# KiCad board keyboard.kicad_pcb
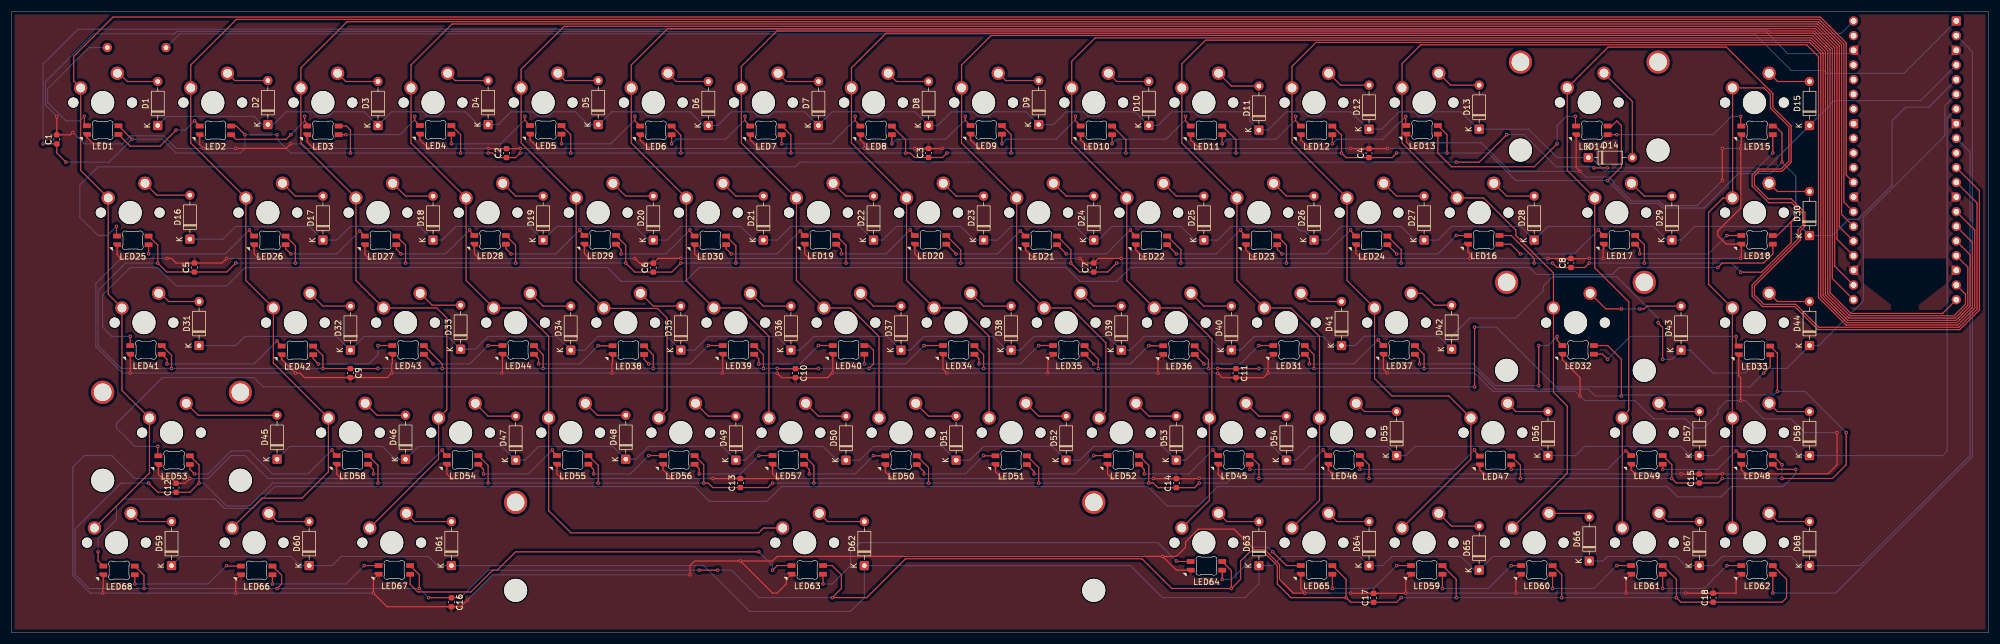
[diagram p0: board, top side]
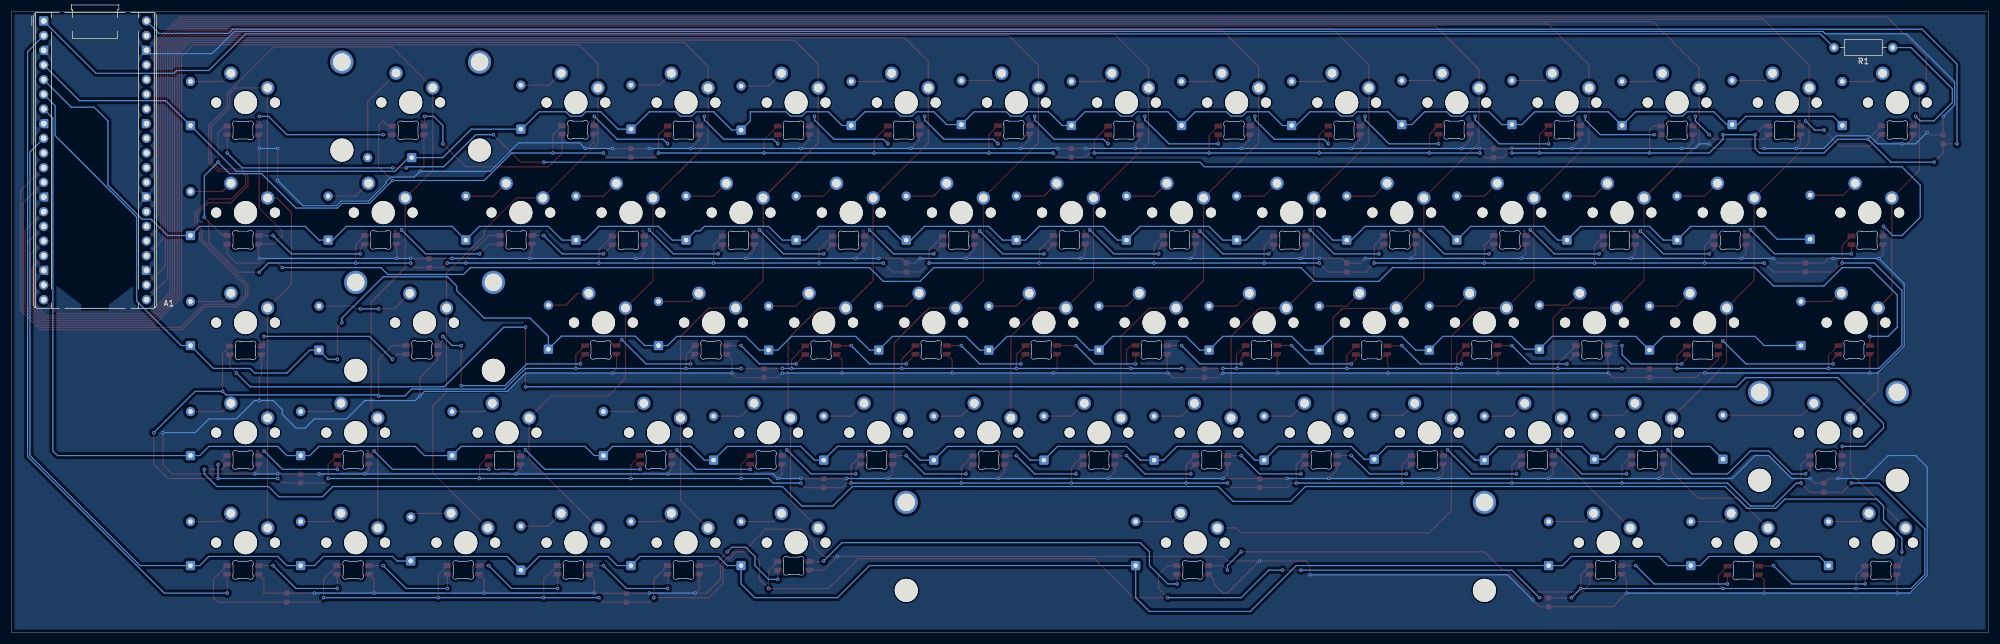
[diagram p1: board, bottom side, seen from below]

Outline 341.97 x 107.5 mm; copper layers: Top, Bottom. Coordinates in mm from the lower left corner of the outline.
Outline path: rectangle 0,107.5 341.97,0

## Placement (name value [footprint] x y rotation side)
A1  RaspberryPi_Pico  [RaspberryPi_Pico_Common_THT]  336.42 105.87 180 bottom
C1  1uF  [C_0603_1608Metric]  7.83 85.37 90 top
C2  1uF  [C_0603_1608Metric]  85.61 82.99 90 top
C3  1uF  [C_0603_1608Metric]  158.63 83.01 90 top
C4  1uF  [C_0603_1608Metric]  234.83 82.99 90 top
C5  1uF  [C_0603_1608Metric]  31.64 63.19 90 top
C6  1uF  [C_0603_1608Metric]  111.01 63.17 90 top
C7  1uF  [C_0603_1608Metric]  187.2 63.19 90 top
C8  1uF  [C_0603_1608Metric]  269.75 63.96 90 top
C9  1uF  [C_0603_1608Metric]  58.61 44.91 270 top
C10  1uF  [C_0603_1608Metric]  135.61 44.89 270 top
C11  1uF  [C_0603_1608Metric]  211.81 44.89 270 top
C12  1uF  [C_0603_1608Metric]  28.46 25.05 90 top
C13  1uF  [C_0603_1608Metric]  126.07 25.86 90 top
C14  1uF  [C_0603_1608Metric]  201.49 25.84 90 top
C15  1uF  [C_0603_1608Metric]  291.95 26.66 90 top
C16  1uF  [C_0603_1608Metric]  76.09 5.23 270 top
C17  1uF  [C_0603_1608Metric]  235.62 6 90 top
C18  1uF  [C_0603_1608Metric]  294.35 6.02 90 top
D1  1N4148  [D_DO-35_SOD27_P7.62mm_Horizontal]  25.29 87.77 90 top
D2  1N4148  [D_DO-35_SOD27_P7.62mm_Horizontal]  44.34 87.93 90 top
D3  1N4148  [D_DO-35_SOD27_P7.62mm_Horizontal]  63.39 87.77 90 top
D4  1N4148  [D_DO-35_SOD27_P7.62mm_Horizontal]  82.44 87.93 90 top
D5  1N4148  [D_DO-35_SOD27_P7.62mm_Horizontal]  101.48 87.93 90 top
D6  1N4148  [D_DO-35_SOD27_P7.62mm_Horizontal]  120.53 87.77 90 top
D7  1N4148  [D_DO-35_SOD27_P7.62mm_Horizontal]  139.58 87.77 90 top
D8  1N4148  [D_DO-35_SOD27_P7.62mm_Horizontal]  158.63 87.77 90 top
D9  1N4148  [D_DO-35_SOD27_P7.62mm_Horizontal]  177.68 87.93 90 top
D10  1N4148  [D_DO-35_SOD27_P7.62mm_Horizontal]  196.73 87.77 90 top
D11  1N4148  [D_DO-35_SOD27_P7.62mm_Horizontal]  215.78 86.98 90 top
D12  1N4148  [D_DO-35_SOD27_P7.62mm_Horizontal]  234.83 87.14 90 top
D13  1N4148  [D_DO-35_SOD27_P7.62mm_Horizontal]  253.87 87.14 90 top
D14  1N4148  [D_DO-35_SOD27_P7.62mm_Horizontal]  272.75 82.22 0 top
D15  1N4148  [D_DO-35_SOD27_P7.62mm_Horizontal]  311.02 87.77 90 top
D16  1N4148  [D_DO-35_SOD27_P7.62mm_Horizontal]  30.84 68.09 90 top
D17  1N4148  [D_DO-35_SOD27_P7.62mm_Horizontal]  53.86 67.93 90 top
D18  1N4148  [D_DO-35_SOD27_P7.62mm_Horizontal]  72.91 67.93 90 top
D19  1N4148  [D_DO-35_SOD27_P7.62mm_Horizontal]  91.96 67.93 90 top
D20  1N4148  [D_DO-35_SOD27_P7.62mm_Horizontal]  111.01 67.93 90 top
D21  1N4148  [D_DO-35_SOD27_P7.62mm_Horizontal]  130.06 67.93 90 top
D22  1N4148  [D_DO-35_SOD27_P7.62mm_Horizontal]  149.11 67.93 90 top
D23  1N4148  [D_DO-35_SOD27_P7.62mm_Horizontal]  168.15 67.93 90 top
D24  1N4148  [D_DO-35_SOD27_P7.62mm_Horizontal]  187.2 67.93 90 top
D25  1N4148  [D_DO-35_SOD27_P7.62mm_Horizontal]  206.25 67.93 90 top
D26  1N4148  [D_DO-35_SOD27_P7.62mm_Horizontal]  225.3 67.93 90 top
D27  1N4148  [D_DO-35_SOD27_P7.62mm_Horizontal]  244.35 67.93 90 top
D28  1N4148  [D_DO-35_SOD27_P7.62mm_Horizontal]  263.4 67.93 90 top
D29  1N4148  [D_DO-35_SOD27_P7.62mm_Horizontal]  287.21 67.93 90 top
D30  1N4148  [D_DO-35_SOD27_P7.62mm_Horizontal]  311.02 68.72 90 top
D31  1N4148  [D_DO-35_SOD27_P7.62mm_Horizontal]  32.43 49.67 90 top
D32  1N4148  [D_DO-35_SOD27_P7.62mm_Horizontal]  58.62 48.88 90 top
D33  1N4148  [D_DO-35_SOD27_P7.62mm_Horizontal]  77.67 49.04 90 top
D34  1N4148  [D_DO-35_SOD27_P7.62mm_Horizontal]  96.72 48.88 90 top
D35  1N4148  [D_DO-35_SOD27_P7.62mm_Horizontal]  115.77 48.88 90 top
D36  1N4148  [D_DO-35_SOD27_P7.62mm_Horizontal]  134.82 48.88 90 top
D37  1N4148  [D_DO-35_SOD27_P7.62mm_Horizontal]  153.87 48.88 90 top
D38  1N4148  [D_DO-35_SOD27_P7.62mm_Horizontal]  172.92 48.88 90 top
D39  1N4148  [D_DO-35_SOD27_P7.62mm_Horizontal]  191.97 48.88 90 top
D40  1N4148  [D_DO-35_SOD27_P7.62mm_Horizontal]  211.01 48.88 90 top
D41  1N4148  [D_DO-35_SOD27_P7.62mm_Horizontal]  230.06 49.67 90 top
D42  1N4148  [D_DO-35_SOD27_P7.62mm_Horizontal]  249.11 49.04 90 top
D43  1N4148  [D_DO-35_SOD27_P7.62mm_Horizontal]  288.8 48.88 90 top
D44  1N4148  [D_DO-35_SOD27_P7.62mm_Horizontal]  311.02 49.67 90 top
D45  1N4148  [D_DO-35_SOD27_P7.62mm_Horizontal]  45.92 29.99 90 top
D46  1N4148  [D_DO-35_SOD27_P7.62mm_Horizontal]  68.15 29.99 90 top
D47  1N4148  [D_DO-35_SOD27_P7.62mm_Horizontal]  87.2 29.83 90 top
D48  1N4148  [D_DO-35_SOD27_P7.62mm_Horizontal]  106.25 29.99 90 top
D49  1N4148  [D_DO-35_SOD27_P7.62mm_Horizontal]  125.29 29.83 90 top
D50  1N4148  [D_DO-35_SOD27_P7.62mm_Horizontal]  144.34 29.83 90 top
D51  1N4148  [D_DO-35_SOD27_P7.62mm_Horizontal]  163.39 29.83 90 top
D52  1N4148  [D_DO-35_SOD27_P7.62mm_Horizontal]  182.44 29.83 90 top
D53  1N4148  [D_DO-35_SOD27_P7.62mm_Horizontal]  201.49 29.83 90 top
D54  1N4148  [D_DO-35_SOD27_P7.62mm_Horizontal]  220.54 29.83 90 top
D55  1N4148  [D_DO-35_SOD27_P7.62mm_Horizontal]  239.59 30.62 90 top
D56  1N4148  [D_DO-35_SOD27_P7.62mm_Horizontal]  265.78 30.62 90 top
D57  1N4148  [D_DO-35_SOD27_P7.62mm_Horizontal]  291.97 30.62 90 top
D58  1N4148  [D_DO-35_SOD27_P7.62mm_Horizontal]  311.02 30.62 90 top
D59  1N4148  [D_DO-35_SOD27_P7.62mm_Horizontal]  27.67 11.58 90 top
D60  1N4148  [D_DO-35_SOD27_P7.62mm_Horizontal]  51.48 11.58 90 top
D61  1N4148  [D_DO-35_SOD27_P7.62mm_Horizontal]  76.09 11.58 90 top
D62  1N4148  [D_DO-35_SOD27_P7.62mm_Horizontal]  147.52 11.58 90 top
D63  1N4148  [D_DO-35_SOD27_P7.62mm_Horizontal]  215.78 11.58 90 top
D64  1N4148  [D_DO-35_SOD27_P7.62mm_Horizontal]  234.83 11.58 90 top
D65  1N4148  [D_DO-35_SOD27_P7.62mm_Horizontal]  253.87 10.78 90 top
D66  1N4148  [D_DO-35_SOD27_P7.62mm_Horizontal]  272.92 12.37 90 top
D67  1N4148  [D_DO-35_SOD27_P7.62mm_Horizontal]  291.97 11.58 90 top
D68  1N4148  [D_DO-35_SOD27_P7.62mm_Horizontal]  311.02 11.58 90 top
LED1  SK6812MINI-E  [LED_6028R]  15.76 86.98 0 top
LED2  SK6812MINI-E  [LED_6028R]  35.26 86.93 0 top
LED3  SK6812MINI-E  [LED_6028R]  53.86 86.93 0 top
LED4  SK6812MINI-E  [LED_6028R]  73.36 87.02 0 top
LED5  SK6812MINI-E  [LED_6028R]  92.41 87.02 0 top
LED6  SK6812MINI-E  [LED_6028R]  111.46 86.93 0 top
LED7  SK6812MINI-E  [LED_6028R]  130.51 86.93 0 top
LED8  SK6812MINI-E  [LED_6028R]  149.56 86.93 0 top
LED9  SK6812MINI-E  [LED_6028R]  168.6 87.02 0 top
LED10  SK6812MINI-E  [LED_6028R]  187.65 86.93 0 top
LED11  SK6812MINI-E  [LED_6028R]  206.7 86.93 0 top
LED12  SK6812MINI-E  [LED_6028R]  225.75 86.93 0 top
LED13  SK6812MINI-E  [LED_6028R]  244.01 87.02 0 top
LED14  SK6812MINI-E  [LED_6028R]  273.37 86.93 0 top
LED15  SK6812MINI-E  [LED_6028R]  301.95 86.93 0 top
LED16  SK6812MINI-E  [LED_6028R]  254.67 67.97 0 top
LED17  SK6812MINI-E  [LED_6028R]  278.13 67.97 0 top
LED18  SK6812MINI-E  [LED_6028R]  301.95 67.97 0 top
LED19  SK6812MINI-E  [LED_6028R]  139.93 67.97 0 top
LED20  SK6812MINI-E  [LED_6028R]  158.97 67.97 0 top
LED21  SK6812MINI-E  [LED_6028R]  178.13 67.89 0 top
LED22  SK6812MINI-E  [LED_6028R]  197.18 67.89 0 top
LED23  SK6812MINI-E  [LED_6028R]  216.23 67.89 0 top
LED24  SK6812MINI-E  [LED_6028R]  235.28 67.89 0 top
LED25  SK6812MINI-E  [LED_6028R]  20.98 67.89 0 top
LED26  SK6812MINI-E  [LED_6028R]  44.68 67.89 0 top
LED27  SK6812MINI-E  [LED_6028R]  63.84 67.89 0 top
LED28  SK6812MINI-E  [LED_6028R]  82.78 67.97 0 top
LED29  SK6812MINI-E  [LED_6028R]  101.83 67.97 0 top
LED30  SK6812MINI-E  [LED_6028R]  120.88 67.89 0 top
LED31  SK6812MINI-E  [LED_6028R]  220.99 48.92 0 top
LED32  SK6812MINI-E  [LED_6028R]  270.99 48.92 0 top
LED33  SK6812MINI-E  [LED_6028R]  301.5 48.84 0 top
LED34  SK6812MINI-E  [LED_6028R]  163.84 48.92 0 top
LED35  SK6812MINI-E  [LED_6028R]  182.89 48.92 0 top
LED36  SK6812MINI-E  [LED_6028R]  201.94 48.88 0 top
LED37  SK6812MINI-E  [LED_6028R]  240.04 48.92 0 top
LED38  SK6812MINI-E  [LED_6028R]  106.7 48.88 0 top
LED39  SK6812MINI-E  [LED_6028R]  125.74 48.92 0 top
LED40  SK6812MINI-E  [LED_6028R]  144.79 48.92 0 top
LED41  SK6812MINI-E  [LED_6028R]  23.25 48.92 0 top
LED42  SK6812MINI-E  [LED_6028R]  49.44 48.84 0 top
LED43  SK6812MINI-E  [LED_6028R]  68.6 48.92 0 top
LED44  SK6812MINI-E  [LED_6028R]  87.65 48.92 0 top
LED45  SK6812MINI-E  [LED_6028R]  211.46 29.87 0 top
LED46  SK6812MINI-E  [LED_6028R]  230.51 29.87 0 top
LED47  SK6812MINI-E  [LED_6028R]  256.71 29.79 0 top
LED48  SK6812MINI-E  [LED_6028R]  301.95 29.87 0 top
LED49  SK6812MINI-E  [LED_6028R]  282.9 29.87 0 top
LED50  SK6812MINI-E  [LED_6028R]  153.87 29.83 0 top
LED51  SK6812MINI-E  [LED_6028R]  172.92 29.83 0 top
LED52  SK6812MINI-E  [LED_6028R]  192.31 29.87 0 top
LED53  SK6812MINI-E  [LED_6028R]  28.12 29.83 0 top
LED54  SK6812MINI-E  [LED_6028R]  78.02 29.87 0 top
LED55  SK6812MINI-E  [LED_6028R]  97.07 29.87 0 top
LED56  SK6812MINI-E  [LED_6028R]  115.43 29.87 0 top
LED57  SK6812MINI-E  [LED_6028R]  134.37 29.87 0 top
LED58  SK6812MINI-E  [LED_6028R]  58.97 29.87 0 top
LED59  SK6812MINI-E  [LED_6028R]  244.8 10.83 0 top
LED60  SK6812MINI-E  [LED_6028R]  263.85 10.83 0 top
LED61  SK6812MINI-E  [LED_6028R]  282.9 10.83 0 top
LED62  SK6812MINI-E  [LED_6028R]  301.95 10.83 0 top
LED63  SK6812MINI-E  [LED_6028R]  137.65 10.83 0 top
LED64  SK6812MINI-E  [LED_6028R]  206.7 11.53 0 top
LED65  SK6812MINI-E  [LED_6028R]  225.75 10.83 0 top
LED66  SK6812MINI-E  [LED_6028R]  42.41 10.74 0 top
LED67  SK6812MINI-E  [LED_6028R]  66.22 10.83 0 top
LED68  SK6812MINI-E  [LED_6028R]  18.6 10.74 0 top
R1  330  [R_Axial_DIN0207_L6.3mm_D2.5mm_P10.16mm_Horizontal]  16.56 101.26 0 bottom
S1  MX_stab  [STAB_MX_P_6.25u]  137.2 15.54 0 top
S1#2  MX_stab  [STAB_MX_P_2u]  272.92 91.77 0 top
S2  MX_stab  [STAB_MX_P_2.25u]  270.54 53.64 0 top
S3  MX_stab  [STAB_MX_P_2.25u]  27.67 34.59 0 top
SW1  SW_Push  [SW_MX_1u]  15.76 91.74 0 top
SW2  SW_Push  [SW_MX_1u]  34.81 91.74 0 top
SW3  SW_Push  [SW_MX_1u]  53.86 91.74 0 top
SW4  SW_Push  [SW_MX_1u]  72.91 91.74 0 top
SW5  SW_Push  [SW_MX_1u]  91.96 91.74 0 top
SW6  SW_Push  [SW_MX_1u]  111.01 91.74 0 top
SW7  SW_Push  [SW_MX_1u]  130.06 91.74 0 top
SW8  SW_Push  [SW_MX_1u]  149.11 91.74 0 top
SW9  SW_Push  [SW_MX_1u]  168.15 91.74 0 top
SW10  SW_Push  [SW_MX_1u]  187.2 91.74 0 top
SW11  SW_Push  [SW_MX_1u]  206.25 91.74 0 top
SW12  SW_Push  [SW_MX_1u]  225.3 91.74 0 top
SW13  SW_Push  [SW_MX_1u]  244.35 91.74 0 top
SW14  SW_Push  [SW_MX_1u]  272.92 91.77 0 top
SW15  SW_Push  [SW_MX_1u]  301.5 91.74 0 top
SW16  SW_Push  [SW_MX_1u]  20.53 72.69 0 top
SW17  SW_Push  [SW_MX_1u]  44.34 72.69 0 top
SW18  SW_Push  [SW_MX_1u]  63.39 72.69 0 top
SW19  SW_Push  [SW_MX_1u]  82.44 72.69 0 top
SW20  SW_Push  [SW_MX_1u]  101.48 72.69 0 top
SW21  SW_Push  [SW_MX_1u]  120.53 72.69 0 top
SW22  SW_Push  [SW_MX_1u]  139.58 72.69 0 top
SW23  SW_Push  [SW_MX_1u]  158.63 72.69 0 top
SW24  SW_Push  [SW_MX_1u]  177.68 72.69 0 top
SW25  SW_Push  [SW_MX_1u]  196.73 72.69 0 top
SW26  SW_Push  [SW_MX_1u]  215.78 72.69 0 top
SW27  SW_Push  [SW_MX_1u]  234.83 72.69 0 top
SW28  SW_Push  [SW_MX_1u]  253.87 72.69 0 top
SW29  SW_Push  [SW_MX_1u]  277.69 72.69 0 top
SW30  SW_Push  [SW_MX_1u]  301.5 72.69 0 top
SW31  SW_Push  [SW_MX_1u]  22.91 53.64 0 top
SW32  SW_Push  [SW_MX_1u]  49.1 53.64 0 top
SW33  SW_Push  [SW_MX_1u]  68.15 53.64 0 top
SW34  SW_Push  [SW_MX_1u]  87.2 53.64 0 top
SW35  SW_Push  [SW_MX_1u]  106.25 53.64 0 top
SW36  SW_Push  [SW_MX_1u]  125.29 53.64 0 top
SW37  SW_Push  [SW_MX_1u]  144.34 53.64 0 top
SW38  SW_Push  [SW_MX_1u]  163.39 53.64 0 top
SW39  SW_Push  [SW_MX_1u]  182.44 53.64 0 top
SW40  SW_Push  [SW_MX_1u]  201.49 53.64 0 top
SW41  SW_Push  [SW_MX_1u]  220.54 53.64 0 top
SW42  SW_Push  [SW_MX_1u]  239.59 53.64 0 top
SW43  SW_Push  [SW_MX_1u]  270.54 53.64 0 top
SW44  SW_Push  [SW_MX_1u]  301.5 53.64 0 top
SW45  SW_Push  [SW_MX_1u]  27.67 34.59 0 top
SW46  SW_Push  [SW_MX_1u]  58.62 34.59 0 top
SW47  SW_Push  [SW_MX_1u]  77.67 34.59 0 top
SW48  SW_Push  [SW_MX_1u]  96.72 34.59 0 top
SW49  SW_Push  [SW_MX_1u]  115.77 34.59 0 top
SW50  SW_Push  [SW_MX_1u]  134.82 34.59 0 top
SW51  SW_Push  [SW_MX_1u]  153.87 34.59 0 top
SW52  SW_Push  [SW_MX_1u]  172.92 34.59 0 top
SW53  SW_Push  [SW_MX_1u]  191.97 34.59 0 top
SW54  SW_Push  [SW_MX_1u]  211.01 34.59 0 top
SW55  SW_Push  [SW_MX_1u]  230.06 34.59 0 top
SW56  SW_Push  [SW_MX_1u]  256.26 34.59 0 top
SW57  SW_Push  [SW_MX_1u]  282.45 34.59 0 top
SW58  SW_Push  [SW_MX_1u]  301.5 34.59 0 top
SW59  SW_Push  [SW_MX_1u]  18.15 15.54 0 top
SW60  SW_Push  [SW_MX_1u]  41.96 15.54 0 top
SW61  SW_Push  [SW_MX_1u]  65.77 15.54 0 top
SW62  SW_Push  [SW_MX_1u]  137.2 15.54 0 top
SW63  SW_Push  [SW_MX_1u]  206.25 15.54 0 top
SW64  SW_Push  [SW_MX_1u]  225.3 15.54 0 top
SW65  SW_Push  [SW_MX_1u]  244.35 15.54 0 top
SW66  SW_Push  [SW_MX_1u]  263.4 15.54 0 top
SW67  SW_Push  [SW_MX_1u]  282.45 15.54 0 top
SW68  SW_Push  [SW_MX_1u]  301.5 15.54 0 top

## Library data of the parts
A1 = -: Datasheet: https://datasheets.raspberrypi.com/pico/pico-datasheet.pdf; Description: Versatile and inexpensive microcontroller module powered by RP2040 dual-core Arm Cortex-M0+ processor up to 133 MHz, 264kB SRAM, 2MB QSPI flash; also supports Raspberry Pi Pico 2; ki_fp_filters: RaspberryPi?Pico?Common* RaspberryPi?Pico?SMD*
C1-C18 = -: Description: Unpolarized capacitor; KiLib_Generator: SMD_2terminal_chip_molded; ki_fp_filters: C_*
D1-D3 D6-D11 D14-D18 D20-D26 D29-D40 D42 D43 D45-D54 D56 D57 D61 = -: Datasheet: https://assets.nexperia.com/documents/data-sheet/1N4148_1N4448.pdf; Description: 100V 0.15A standard switching diode, DO-35; KiLib_Generator: diode/THT; Sim.Device: D; Sim.Pins: 1=K 2=A; ki_fp_filters: D*DO?35*
D4 D5 D12 D13 D19 D27 D28 D41 D44 D55 D58-D60 D62-D68 = -: KiLib_Generator: diode/THT; ki_fp_filters: D*DO?35*
LED1-LED68 = -: Description: Reverse mount adressable LED (WS2812 protocol)
R1 = -: Description: Resistor; KiLib_Generator: resistor/THT; ki_fp_filters: R_*
S1 = -: Description: Cherry MX-style stabilizer

## Footprints (pads in the part's own frame, mm; a bottom-side part is the same pattern mirrored in y, then rotated)
C_0603_1608Metric
  rrect 0.9x0.95 smd: 1(-0.775,0) 2(0.775,0)
D_DO-35_SOD27_P7.62mm_Horizontal
  rrect 1.6x1.6 hole 0.8: 1(0,0)
  round 1.6 hole 0.8: 2(7.62,0)
LED_6028R
  rrect 1.35x0.82 smd: 1(2.725,0.75) 2(2.725,-0.75) 3(-2.725,0.75) 4(-2.725,-0.75)
R_Axial_DIN0207_L6.3mm_D2.5mm_P10.16mm_Horizontal
  round 1.6 hole 0.8: 1(0,0) 2(10.16,0)
RaspberryPi_Pico_Common_THT
  rrect 1.6x1.6 hole 1: 1(0,0)
  round 1.6 hole 1: 2(0,-2.54) 4(0,-7.62) 5(0,-10.16) 6(0,-12.7) 7(0,-15.24) 9(0,-20.32) 10(0,-22.86) 11(0,-25.4) 12(0,-27.94) 14(0,-33.02) 15(0,-35.56) 16(0,-38.1) 17(0,-40.64) 19(0,-45.72) 20(0,-48.26) 21(17.78,-48.26) 22(17.78,-45.72) 24(17.78,-40.64) 25(17.78,-38.1) 26(17.78,-35.56) 27(17.78,-33.02) 29(17.78,-27.94) 30(17.78,-25.4) 31(17.78,-22.86) 32(17.78,-20.32) 34(17.78,-15.24) 35(17.78,-12.7) 36(17.78,-10.16) 37(17.78,-7.62) 39(17.78,-2.54) 40(17.78,0)
  custom 1.6x1.6 hole 1: 3(0,-5.08) 8(0,-17.78) 13(0,-30.48) 18(0,-43.18) 23(17.78,-43.18) 28(17.78,-30.48) 33(17.78,-17.78) 38(17.78,-5.08)
STAB_MX_P_2.25u
  round 4 hole 3.048: (-11.906,6.985) (11.906,6.985)
  round 3.988 hole 3.988 unplated: (-11.906,-8.255) (11.906,-8.255)
STAB_MX_P_2u
  round 4 hole 3.048: (-11.906,6.985) (11.906,6.985)
  round 3.988 hole 3.988 unplated: (-11.906,-8.255) (11.906,-8.255)
STAB_MX_P_6.25u
  round 4 hole 3.048: (-50.006,6.985) (50.006,6.985)
  round 3.988 hole 3.988 unplated: (-50.006,-8.255) (50.006,-8.255)
SW_MX_1u
  round 1.75 hole 1.75 unplated: (-5.08,0) (5.08,0)
  round 3.988 hole 3.988 unplated: (0,0)
  round 2.3 hole 1.524: 1(-3.81,2.54) 2(2.54,5.08)

## Nets
/5V: A1.40 C1.1 C3.1 C4.1 C5.1 C6.1 C7.1 C8.1 C9.1 C10.1 C11.1 C12.1 C13.1 C14.1 C15.1 C16.1 C17.1 C18.1 LED1.1 LED2.1 LED3.1 LED4.1 LED5.1 LED6.1 LED7.1 LED8.1 LED9.1 LED10.1 LED11.1 LED12.1 LED13.1 LED14.1 LED15.1 LED16.1 LED17.1 LED18.1 LED19.1 LED20.1 LED21.1 LED22.1 LED23.1 LED24.1 LED25.1 LED26.1 LED27.1 LED28.1 LED29.1 LED30.1 LED31.1 LED32.1 LED33.1 LED34.1 LED35.1 LED36.1 LED37.1 LED38.1 LED39.1 LED40.1 LED41.1 LED42.1 LED43.1 LED44.1 LED45.1 LED46.1 LED47.1 LED48.1 LED49.1 LED50.1 LED51.1 LED52.1 LED53.1 LED54.1 LED55.1 LED56.1 LED57.1 LED58.1 LED59.1 LED60.1 LED61.1 LED62.1 LED63.1 LED64.1 LED65.1 LED66.1 LED67.1 LED68.1
/GND: A1.3 A1.8 A1.13 A1.18 A1.23 A1.28 A1.38 C1.2 C3.2 C4.2 C5.2 C6.2 C7.2 C8.2 C9.2 C10.2 C11.2 C12.2 C13.2 C14.2 C15.2 C16.2 C17.2 C18.2 LED1.4 LED2.4 LED3.4 LED4.4 LED5.4 LED6.4 LED7.4 LED8.4 LED9.4 LED10.4 LED11.4 LED12.4 LED13.4 LED14.4 LED15.4 LED16.4 LED17.4 LED18.4 LED19.4 LED20.4 LED21.4 LED22.4 LED23.4 LED24.4 LED25.4 LED26.4 LED27.4 LED28.4 LED29.4 LED30.4 LED31.4 LED32.4 LED33.4 LED34.4 LED35.4 LED36.4 LED37.4 LED38.4 LED39.4 LED40.4 LED41.4 LED42.4 LED43.4 LED44.4 LED45.4 LED46.4 LED47.4 LED48.4 LED49.4 LED50.4 LED51.4 LED52.4 LED53.4 LED54.4 LED55.4 LED56.4 LED57.4 LED58.4 LED59.4 LED60.4 LED61.4 LED62.4 LED63.4 LED64.4 LED65.4 LED66.4 LED67.4 LED68.4
/COL0: A1.29 SW1.1 SW16.1 SW31.1 SW45.1 SW59.1
/COL1: A1.27 SW2.1 SW17.1 SW32.1 SW46.1 SW60.1
/COL2: A1.26 SW3.1 SW18.1 SW33.1 SW47.1 SW61.1
/COL3: A1.25 SW4.1 SW19.1 SW34.1 SW48.1 SW62.1
/COL4: A1.24 SW5.1 SW20.1 SW35.1 SW49.1
/COL5: A1.22 SW6.1 SW21.1 SW36.1 SW50.1
/COL6: A1.21 SW7.1 SW22.1 SW37.1 SW51.1
/COL7: A1.20 SW8.1 SW23.1 SW38.1 SW52.1
/COL8: A1.19 SW9.1 SW24.1 SW39.1 SW53.1
/COL9: A1.17 SW10.1 SW25.1 SW40.1 SW54.1 SW63.1
/COL10: A1.16 SW11.1 SW26.1 SW41.1 SW55.1 SW64.1
/COL11: A1.15 SW12.1 SW27.1 SW42.1 SW56.1 SW65.1
/COL12: A1.14 SW13.1 SW28.1 SW43.1 SW66.1
/COL13: A1.12 SW14.1 SW29.1 SW57.1 SW67.1
/COL14: A1.11 SW15.1 SW30.1 SW44.1 SW58.1 SW68.1
/COL15: A1.10
/LEDdata: A1.1 LED1.3 R1.1 R1.2
/LEDdataOut: A1.2 LED62.2
/ROW0: A1.4 D1.1 D2.1 D3.1 D4.1 D5.1 D6.1 D7.1 D8.1 D9.1 D10.1 D11.1 D12.1 D13.1 D14.1 D15.1
/ROW1: A1.5 D16.1 D17.1 D18.1 D19.1 D20.1 D21.1 D22.1 D23.1 D24.1 D25.1 D26.1 D27.1 D28.1 D29.1 D30.1
/ROW2: A1.6 D31.1 D32.1 D33.1 D34.1 D35.1 D36.1 D37.1 D38.1 D39.1 D40.1 D41.1 D42.1 D43.1 D44.1
/ROW3: A1.7 D45.1 D46.1 D47.1 D48.1 D49.1 D50.1 D51.1 D52.1 D53.1 D54.1 D55.1 D56.1 D57.1 D58.1
/ROW4: A1.9 D59.1 D60.1 D61.1 D62.1 D63.1 D64.1 D65.1 D66.1 D67.1 D68.1
Net-(D1-A): D1.2 SW1.2
Net-(D2-A): D2.2 SW2.2
Net-(D3-A): D3.2 SW3.2
Net-(D4-A): D4.2 SW4.2
Net-(D5-A): D5.2 SW5.2
Net-(D6-A): D6.2 SW6.2
Net-(D7-A): D7.2 SW7.2
Net-(D8-A): D8.2 SW8.2
Net-(D9-A): D9.2 SW9.2
Net-(D10-A): D10.2 SW10.2
Net-(D11-A): D11.2 SW11.2
Net-(D12-A): D12.2 SW12.2
Net-(D13-A): D13.2 SW13.2
Net-(D14-A): D14.2 SW14.2
Net-(D15-A): D15.2 SW15.2
Net-(D16-A): D16.2 SW16.2
Net-(D17-A): D17.2 SW17.2
Net-(D18-A): D18.2 SW18.2
Net-(D19-A): D19.2 SW19.2
Net-(D20-A): D20.2 SW20.2
Net-(D21-A): D21.2 SW21.2
Net-(D22-A): D22.2 SW22.2
Net-(D23-A): D23.2 SW23.2
Net-(D24-A): D24.2 SW24.2
Net-(D25-A): D25.2 SW25.2
Net-(D26-A): D26.2 SW26.2
Net-(D27-A): D27.2 SW27.2
Net-(D28-A): D28.2 SW28.2
Net-(D29-A): D29.2 SW29.2
Net-(D30-A): D30.2 SW30.2
Net-(D31-A): D31.2 SW31.2
Net-(D32-A): D32.2 SW32.2
Net-(D33-A): D33.2 SW33.2
Net-(D34-A): D34.2 SW34.2
Net-(D35-A): D35.2 SW35.2
Net-(D36-A): D36.2 SW36.2
Net-(D37-A): D37.2 SW37.2
Net-(D38-A): D38.2 SW38.2
Net-(D39-A): D39.2 SW39.2
Net-(D40-A): D40.2 SW40.2
Net-(D41-A): D41.2 SW41.2
Net-(D42-A): D42.2 SW42.2
Net-(D43-A): D43.2 SW43.2
Net-(D44-A): D44.2 SW44.2
Net-(D45-A): D45.2 SW45.2
Net-(D46-A): D46.2 SW46.2
Net-(D47-A): D47.2 SW47.2
Net-(D48-A): D48.2 SW48.2
Net-(D49-A): D49.2 SW49.2
Net-(D50-A): D50.2 SW50.2
Net-(D51-A): D51.2 SW51.2
Net-(D52-A): D52.2 SW52.2
Net-(D53-A): D53.2 SW53.2
Net-(D54-A): D54.2 SW54.2
Net-(D55-A): D55.2 SW55.2
Net-(D56-A): D56.2 SW56.2
Net-(D57-A): D57.2 SW57.2
Net-(D58-A): D58.2 SW58.2
Net-(D59-A): D59.2 SW59.2
Net-(D60-A): D60.2 SW60.2
Net-(D61-A): D61.2 SW61.2
Net-(D62-A): D62.2 SW62.2
Net-(D63-A): D63.2 SW63.2
Net-(D64-A): D64.2 SW64.2
Net-(D65-A): D65.2 SW65.2
Net-(D66-A): D66.2 SW66.2
Net-(D67-A): D67.2 SW67.2
Net-(D68-A): D68.2 SW68.2
Net-(LED1-DOUT): LED1.2 LED2.3
Net-(LED2-DOUT): LED2.2 LED3.3
Net-(LED3-DOUT): LED3.2 LED4.3
Net-(LED4-DOUT): LED4.2 LED5.3
Net-(LED5-DOUT): LED5.2 LED6.3
Net-(LED6-DOUT): LED6.2 LED7.3
Net-(LED7-DOUT): LED7.2 LED8.3
Net-(LED8-DOUT): LED8.2 LED9.3
Net-(LED10-DIN): LED9.2 LED10.3
Net-(LED10-DOUT): LED10.2 LED11.3
Net-(LED11-DOUT): LED11.2 LED12.3
Net-(LED12-DOUT): LED12.2 LED13.3
Net-(LED13-DOUT): LED13.2 LED14.3
Net-(LED14-DOUT): LED14.2 LED15.3
Net-(LED15-DOUT): LED15.2 LED25.3
Net-(LED16-DIN): LED16.3 LED24.2
Net-(LED16-DOUT): LED16.2 LED17.3
Net-(LED17-DOUT): LED17.2 LED18.3
Net-(LED18-DOUT): LED18.2 LED41.3
Net-(LED19-DIN): LED19.3 LED30.2
Net-(LED19-DOUT): LED19.2 LED20.3
Net-(LED20-DOUT): LED20.2 LED21.3
Net-(LED21-DOUT): LED21.2 LED22.3
Net-(LED22-DOUT): LED22.2 LED23.3
Net-(LED23-DOUT): LED23.2 LED24.3
Net-(LED25-DOUT): LED25.2 LED26.3
Net-(LED26-DOUT): LED26.2 LED27.3
Net-(LED27-DOUT): LED27.2 LED28.3
Net-(LED28-DOUT): LED28.2 LED29.3
Net-(LED29-DOUT): LED29.2 LED30.3
Net-(LED31-DIN): LED31.3 LED36.2
Net-(LED31-DOUT): LED31.2 LED37.3
Net-(LED32-DIN): LED32.3 LED37.2
Net-(LED32-DOUT): LED32.2 LED33.3
Net-(LED33-DOUT): LED33.2 LED53.3
Net-(LED34-DIN): LED34.3 LED40.2
Net-(LED34-DOUT): LED34.2 LED35.3
Net-(LED35-DOUT): LED35.2 LED36.3
Net-(LED38-DIN): LED38.3 LED44.2
Net-(LED38-DOUT): LED38.2 LED39.3
Net-(LED39-DOUT): LED39.2 LED40.3
Net-(LED41-DOUT): LED41.2 LED42.3
Net-(LED42-DOUT): LED42.2 LED43.3
Net-(LED43-DOUT): LED43.2 LED44.3
Net-(LED45-DIN): LED45.3 LED52.2
Net-(LED45-DOUT): LED45.2 LED46.3
Net-(LED46-DOUT): LED46.2 LED47.3
Net-(LED47-DOUT): LED47.2 LED48.3
Net-(LED48-DOUT): LED48.2 LED49.3
Net-(LED49-DOUT): LED49.2 LED68.3
Net-(LED50-DIN): LED50.3 LED57.2
Net-(LED50-DOUT): LED50.2 LED51.3
Net-(LED51-DOUT): LED51.2 LED52.3
Net-(LED53-DOUT): LED53.2 LED58.3
Net-(LED54-DIN): LED54.3 LED58.2
Net-(LED54-DOUT): LED54.2 LED55.3
Net-(LED55-DOUT): LED55.2 LED56.3
Net-(LED56-DOUT): LED56.2 LED57.3
Net-(LED59-DIN): LED59.3 LED65.2
Net-(LED59-DOUT): LED59.2 LED60.3
Net-(LED60-DOUT): LED60.2 LED61.3
Net-(LED61-DOUT): LED61.2 LED62.3
Net-(LED63-DIN): LED63.3 LED67.2
Net-(LED63-DOUT): LED63.2 LED64.3
Net-(LED64-DOUT): LED64.2 LED65.3
Net-(LED66-DIN): LED66.3 LED68.2
Net-(LED66-DOUT): LED66.2 LED67.3

Pads without a net: A1 30 31 32 33 34 35 36 37 39; C2 1 2

## Via types
v1: diameter 0.6, hole 0.3, Top to Bottom, 344 vias

## Routing (per net, layer and track width the routed paths; a pad name or vN(x,y) marks a point on that pad's centre or on a via; arc(x,y) is an arc through that point)
/5V: length 2318.5
  Top w0.2: LED10.1 192.76,85.3 v1(192.76,83.01) ; v1(295.94,26.66) 295.17,25.88 C15.1 287.98,25.88 v1(287.21,26.66) 287.21,29.04 LED49.1 ; LED37.1 244.35,48.09 v1(244.35,45.71) ; v1(306.26,81.42) 306.26,86.5 305.07,87.68 ; LED8.1 154.66,85.3 v1(154.66,83.01) 155.46,83.01 156.23,82.23 C3.1 161.03,82.23 v1(161.81,83.01) ; v1(249.91,6.02) 249.91,9.19 LED59.1 ; v1(317.37,34.59) 317.37,29.04 314.99,26.66 v1(306.26,26.66) ; v1(177.68,25.86) 177.68,28.54 LED51.1 ; LED19.1 144.34,67.03 v1(144.34,63.96) ; v1(77.67,6.02) 77.65,6 C16.1 72.14,6 v1(72.12,6.02) ; v1(45.92,7.61) 46.72,8.4 46.72,9.9 LED66.1 ; v1(240.38,6.02) 239.59,5.23 C17.1 231.65,5.23 v1(230.86,6.02) ; v1(63.39,25.86) 63.39,28.93 LED58.1 ; LED44.1 91.96,48.09 v1(91.96,45.71) ; v1(111.01,45.71) 111.01,48.04 LED38.1 ; LED65.1 230.86,9.19 v1(230.86,6.02) ; v1(38.78,63.96) 37.23,62.41 C5.1 26.84,62.41 v1(25.29,63.96) 25.29,67.05 LED25.1 ; v1(101.48,25.86) 101.48,28.93 LED55.1 ; LED34.1 168.15,48.09 v1(168.15,45.71) ; v1(172.92,83.01) 172.92,86.18 LED9.1 ; v1(96.72,83.01) 96.72,86.18 LED5.1 ; LED42.1 53.86,47.89 v1(53.86,45.71) 54.66,45.71 54.67,45.69 C9.1 63.37,45.69 v1(63.39,45.71) ; LED24.1 240.38,66.25 v1(240.38,63.96) ; v1(118.95,10.78) v1(122.12,10.78) ; v1(215.78,26.66) 215.78,29.04 LED45.1 ; 18.53,87.77 LED1.1 v1(20.83,85.39) ; LED47.1 261.02,28.95 v1(261.02,26.66) ; v1(9.41,81.42) 7.83,83.01 C1.1 v1(5.45,84.6) ; v1(49.1,63.96) 49.1,66.94 LED26.1 ; v1(58.62,83.01) 58.62,86.98 57.92,87.68 LED3.1 ; LED13.1 248.32,86.18 v1(248.32,83.01) ; v1(278.48,40.94) 278.48,47.29 276.1,49.67 LED32.1 ; LED60.1 268.16,9.99 v1(268.16,6.02) ; LED6.1 115.77,86.1 v1(115.77,83.01) ; v1(87.99,83.01) 87.2,82.22 85.61,82.22 84.02,82.22 83.23,83.01 v1(82.44,83.01) ; v1(68.15,63.96) 68.15,67.05 LED27.1 ; v1(211.01,7.61) 211.01,10.69 LED64.1 ; v1(211.01,7.61) 200.7,7.61 195.54,12.76 154.66,12.76 147.92,6.02 v1(141.96,6.02) 143.55,7.61 143.55,9.99 141.96,11.58 LED63.1 ; v1(211.01,7.61) 212.6,9.19 212.6,12.37 214.19,13.96 216.57,13.96 218.95,11.58 218.95,8.4 221.33,6.02 v1(230.86,6.02) ; 156.59,30.58 158.63,28.54 v1(158.63,25.86) ; LED41.1 27.67,47.98 v1(27.67,45.71) ; LED61.1 288,9.19 v1(288,6.02) 288.78,5.25 C18.1 306.28,5.25 307.05,6.02 307.05,9.19 304.67,11.58 ; v1(115.77,63.96) 114.2,62.39 C6.1 107.81,62.39 v1(106.25,63.96) 106.25,67.03 LED29.1 ; v1(134.82,83.01) 134.82,86.1 LED7.1 ; v1(82.44,25.86) 82.44,28.93 LED54.1 ; v1(40.37,86.18) 38.87,87.68 LED2.1 ; v1(164.19,63.96) 164.19,66.24 LED20.1 ; v1(234.83,26.66) 234.83,29.04 LED46.1 ; v1(263.4,63.96) 263.4,64.75 259.43,68.72 LED16.1 ; v1(215.78,45.71) 215.74,45.67 C11.1 209.46,45.67 209.43,45.71 v1(208.63,45.71) ; LED39.1 130.06,48.09 v1(130.06,45.71) ; v1(131.64,25.86) 130.87,25.09 C13.1 121.31,25.09 120.53,25.86 v1(119.74,25.86) 119.74,29.04 LED56.1 ; LED28.1 87.2,67.03 v1(87.2,63.96) ; LED33.1 305.46,48.34 v1(305.46,41.74) ; LED52.1 196.73,28.93 v1(196.73,25.86) 197.52,25.86 198.32,25.07 204.66,25.07 v1(205.46,25.86) ; v1(191.17,63.96) 189.62,62.41 C7.1 184.78,62.41 v1(183.23,63.96) 183.23,66.25 LED21.1 ; LED22.1 202.28,66.25 v1(202.28,63.96) ; v1(125.29,63.96) 125.29,66.94 LED30.1 ; v1(138.79,25.86) 138.79,28.93 LED57.1 ; v1(266.57,63.96) 267.35,63.19 C8.1 272.15,63.19 v1(272.92,63.96) ; v1(282.45,63.96) 282.45,67.14 LED17.1 ; v1(22.91,7.61) 22.91,9.9 LED68.1 ; v1(207.05,45.71) 207.05,47.25 LED36.1 ; v1(299.12,62.37) 302.75,62.37 307.85,67.47 307.85,71.1 v1(308.64,71.9) 305.46,68.72 305.07,68.72 ; v1(276.1,78.25) 278.48,80.63 278.48,87.77 277.69,88.56 276.8,87.68 LED14.1 ; v1(188,45.71) 188,47.29 LED35.1 ; v1(211.81,83.01) 211.81,85.3 LED11.1 ; v1(139.58,45.71) 139.54,45.67 C10.1 132.48,45.67 v1(132.44,45.71) ; LED43.1 74.5,46.5 v1(74.5,45.71) ; LED12.1 230.06,86.1 v1(230.06,83.01) 230.86,82.22 C4.1 238.79,82.22 v1(239.59,83.01) ; v1(225.3,45.71) 225.3,48.09 LED31.1 ; v1(23.7,25.86) 25.29,24.28 C12.1 30.84,24.28 v1(32.43,25.86) 32.43,28.99 LED53.1 ; LED67.1 70.53,9.99 v1(70.53,7.61) ; v1(77.67,83.01) 77.67,86.18 LED4.1 ; v1(306.26,29.04) 304.67,30.62 ; LED40.1 148.31,49.67 149.11,48.88 149.11,46.5 v1(148.31,45.71) ; LED23.1 220.54,67.05 v1(220.54,63.96)